# Altium PCB 宠物机器人&导购机器人.PcbDoc (part 12 of 14) (continued)
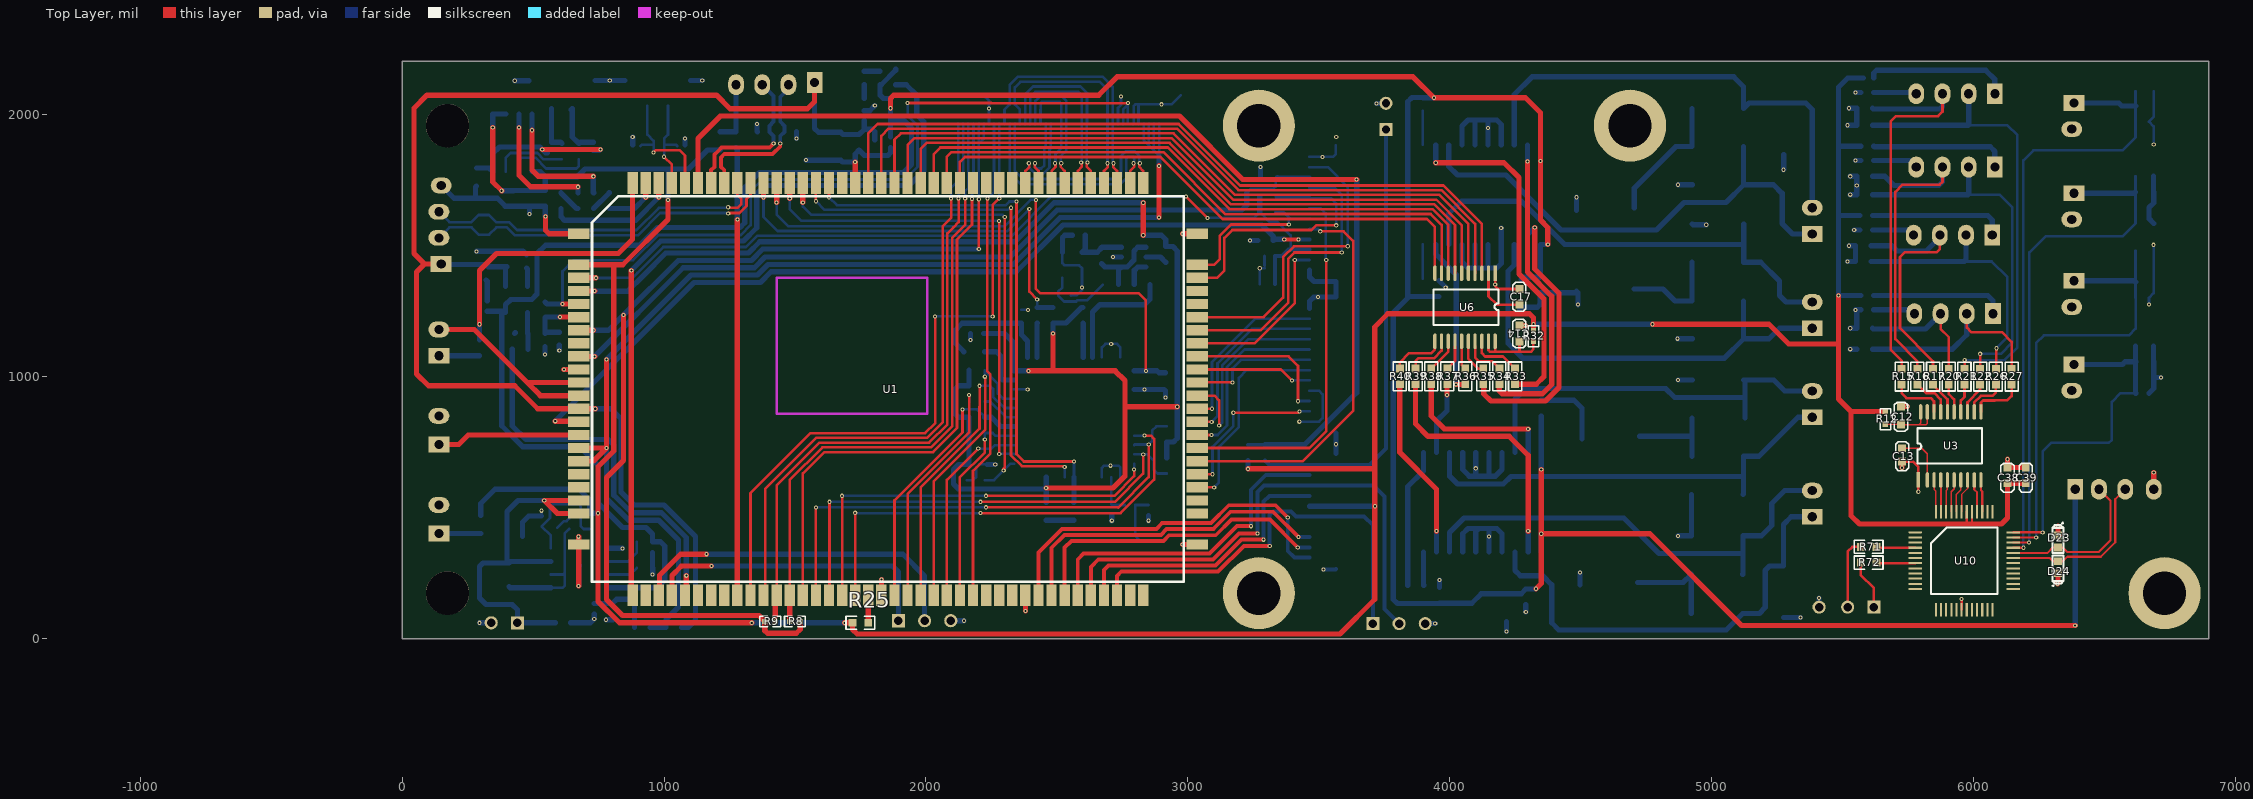
[diagram p0: Top Layer view]
## Free pads (board coordinates) (continued)
1(-1216.66,-383.46) 1(-1216.66,-383.92) 1(-1216.66,-383.92) 1(-1216.66,-383.92) 1(-1216.66,-383.92) 1(-1216.66,-383.92) 1(-1216.66,-383.92) 1(-1216.66,-383.62) 1(-1216.66,-383.62) 1(-1216.66,-383.62) 1(-1216.66,-383.62) 1(-1216.66,-383.62) 1(-1216.66,-383.62) 1(-1216.64,-383.91) 1(-1216.64,-383.91) 1(-1216.64,-383.91) 1(-1216.64,-383.91) 1(-1216.64,-383.91) 1(-1216.64,-383.91) 1(-1216.64,-383.62) 1(-1216.64,-383.62) 1(-1216.64,-383.62) 1(-1216.64,-383.62) 1(-1216.64,-383.62) 1(-1216.64,-383.62) 1(-1216.63,-383.48) 1(-1216.63,-383.48) 1(-1216.63,-383.48) 1(-1216.62,-383.9) 1(-1216.62,-383.9) 1(-1216.62,-383.9) 1(-1216.62,-383.9) 1(-1216.62,-383.9) 1(-1216.62,-383.9) 1(-1216.62,-383.61) 1(-1216.62,-383.61) 1(-1216.62,-383.61) 1(-1216.62,-383.61) 1(-1216.62,-383.61) 1(-1216.62,-383.61) 1(-1216.61,-384.98) 1(-1216.61,-384.98) 1(-1216.61,-384.98) 1(-1216.61,-384.98) 1(-1216.61,-384.98) 1(-1216.61,-384.98) 1(-1216.61,-384.79) 1(-1216.61,-384.79) 1(-1216.61,-384.79) 1(-1216.61,-384.79) 1(-1216.61,-384.79) 1(-1216.61,-384.79) 1(-1216.61,-383.46) 1(-1216.61,-383.46) 1(-1216.61,-383.46) 1(-1216.61,-383.46) 1(-1216.61,-383.46) 1(-1216.61,-383.46) 1(-1216.61,-383.4) 1(-1216.61,-383.4) 1(-1216.61,-383.4) 1(-1216.61,-384.79) 1(-1216.61,-384.79) 1(-1216.61,-384.79) 1(-1216.61,-384.98) 1(-1216.61,-384.98) 1(-1216.61,-384.98) 1(-1216.6,-383.88) 1(-1216.6,-383.88) 1(-1216.6,-383.88) 1(-1216.6,-383.88) 1(-1216.6,-383.88) 1(-1216.6,-383.88) 1(-1216.6,-383.6) 1(-1216.6,-383.6) 1(-1216.6,-383.6) 1(-1216.6,-383.6) 1(-1216.6,-383.6) 1(-1216.6,-383.6) 1(-1216.6,-383.88) 1(-1216.6,-383.88) 1(-1216.6,-383.88) 1(-1216.6,-384.22) 1(-1216.6,-384.22) 1(-1216.6,-384.22) 1(-1216.6,-384.22) 1(-1216.6,-384.22) 1(-1216.6,-384.22) 1(-1216.6,-384.2) 1(-1216.6,-384.2) 1(-1216.6,-384.2) 1(-1216.6,-384.2) 1(-1216.6,-384.2) 1(-1216.6,-384.2) 1(-1216.6,-383.92) 1(-1216.6,-383.92) 1(-1216.6,-383.92) 1(-1216.6,-383.92) 1(-1216.6,-383.92) 1(-1216.6,-383.92) 1(-1216.59,-383.92) 1(-1216.59,-383.92) 1(-1216.59,-383.92) 1(-1216.58,-383.81) 1(-1216.58,-383.81) 1(-1216.58,-383.81) 1(-1216.58,-383.81) 1(-1216.58,-383.81) 1(-1216.58,-383.81) 1(-1216.58,-383.6) 1(-1216.58,-383.6) 1(-1216.58,-383.6) 1(-1216.58,-383.6) 1(-1216.58,-383.6) 1(-1216.58,-383.6) 1(-1216.58,-383.81) 1(-1216.58,-383.81) 1(-1216.58,-383.81) 1(-1216.58,-384.22) 1(-1216.58,-384.22) 1(-1216.58,-384.22) 1(-1216.58,-384.18) 1(-1216.58,-384.18) 1(-1216.58,-384.18) 1(-1216.56,-383.76) 1(-1216.56,-383.76) 1(-1216.56,-383.76) 1(-1216.56,-383.76) 1(-1216.56,-383.76) 1(-1216.56,-383.76) 1(-1216.56,-383.59) 1(-1216.56,-383.59) 1(-1216.56,-383.59) 1(-1216.56,-383.59) 1(-1216.56,-383.59) 1(-1216.56,-383.59) 1(-1216.56,-384.98) 1(-1216.56,-384.98) 1(-1216.56,-384.98) 1(-1216.56,-384.81) 1(-1216.56,-384.81) 1(-1216.56,-384.81) 1(-1216.56,-384.81) 1(-1216.56,-384.81) 1(-1216.56,-384.81) 1(-1216.56,-383.45) 1(-1216.56,-383.45) 1(-1216.56,-383.45) 1(-1216.56,-383.45) 1(-1216.56,-383.45) 1(-1216.56,-383.45) 1(-1216.56,-383.4) 1(-1216.56,-383.4) 1(-1216.56,-383.4) 1(-1216.56,-383.76) 1(-1216.56,-383.76) 1(-1216.56,-383.76) 1(-1216.56,-384.07) 1(-1216.56,-384.07) 1(-1216.56,-384.07) 1(-1216.56,-383.86) 1(-1216.56,-383.86) 1(-1216.56,-383.86) 1(-1216.56,-383.79) 1(-1216.56,-383.79) 1(-1216.56,-383.79) 1(-1216.56,-383.79) 1(-1216.56,-383.79) 1(-1216.56,-383.79) 1(-1216.56,-384.23) 1(-1216.56,-384.23) 1(-1216.56,-384.23) 1(-1216.56,-384.23) 1(-1216.56,-384.23) 1(-1216.56,-384.23) 1(-1216.56,-384.07) 1(-1216.56,-384.07) 1(-1216.56,-384.07) 1(-1216.56,-384.07) 1(-1216.56,-384.07) 1(-1216.56,-384.07) 1(-1216.54,-384.01) 1(-1216.54,-384.01) 1(-1216.54,-384.01) 1(-1216.54,-384.01) 1(-1216.54,-384.01) 1(-1216.54,-384.01) 1(-1216.54,-383.77) 1(-1216.54,-383.77) 1(-1216.54,-383.77) 1(-1216.54,-383.77) 1(-1216.54,-383.77) 1(-1216.54,-383.77) 1(-1216.54,-383.47) 1(-1216.54,-383.47) 1(-1216.54,-383.47) 1(-1216.54,-383.47) 1(-1216.54,-383.47) 1(-1216.54,-383.47) 1(-1216.53,-383.42) 1(-1216.53,-383.42) 1(-1216.53,-383.42) 1(-1216.53,-383.42) 1(-1216.53,-383.42) 1(-1216.53,-383.42) 1(-1216.52,-384.77) 1(-1216.52,-384.77) 1(-1216.52,-384.77) 1(-1216.52,-384.77) 1(-1216.52,-384.77) 1(-1216.52,-384.77) 1(-1216.52,-383.67) 1(-1216.52,-383.67) 1(-1216.52,-383.67) 1(-1216.52,-383.42) 1(-1216.52,-383.42) 1(-1216.52,-383.42) 1(-1216.52,-383.42) 1(-1216.52,-383.42) 1(-1216.52,-383.42) 1(-1216.52,-384.26) 1(-1216.52,-384.26) 1(-1216.52,-384.26) 1(-1216.52,-384.26) 1(-1216.52,-384.26) 1(-1216.52,-384.26) 1(-1216.52,-384.12) 1(-1216.52,-384.12) 1(-1216.52,-384.12) 1(-1216.51,-384.28) 1(-1216.51,-384.28) 1(-1216.51,-384.28) 1(-1216.51,-384.28) 1(-1216.51,-384.28) 1(-1216.51,-384.28) 1(-1216.51,-383.4) 1(-1216.51,-383.4) 1(-1216.51,-383.4) 1(-1216.51,-383.4) 1(-1216.51,-383.4) 1(-1216.51,-383.4) 1(-1216.51,-383.4) 1(-1216.51,-383.4) 1(-1216.51,-383.4) 1(-1216.5,-383.76) 1(-1216.5,-383.76) 1(-1216.5,-383.76) 1(-1216.5,-383.76) 1(-1216.5,-383.76) 1(-1216.5,-383.76) 1(-1216.5,-383.69) 1(-1216.5,-383.69) 1(-1216.5,-383.69) 1(-1216.5,-384.04) 1(-1216.5,-384.04) 1(-1216.5,-384.04) 1(-1216.5,-384.25) 1(-1216.5,-384.25) 1(-1216.5,-384.25) 1(-1216.5,-384.25) 1(-1216.5,-384.25) 1(-1216.5,-384.25) 1(-1216.5,-384.08) 1(-1216.5,-384.08) 1(-1216.5,-384.08) 1(-1216.5,-384.08) 1(-1216.5,-384.08) 1(-1216.5,-384.08) 1(-1216.5,-384.04) 1(-1216.5,-384.04) 1(-1216.5,-384.04) 1(-1216.5,-384.04) 1(-1216.5,-384.04) 1(-1216.5,-384.04) 1(-1216.49,-384.25) 1(-1216.49,-384.25) 1(-1216.49,-384.25) 1(-1216.49,-384.01) 1(-1216.49,-384.01) 1(-1216.49,-384.01) 1(-1216.49,-384.01) 1(-1216.49,-384.01) 1(-1216.49,-384.01) 1(-1216.49,-384.28) 1(-1216.49,-384.28) 1(-1216.49,-384.28) 1(-1216.49,-384.28) 1(-1216.49,-384.28) 1(-1216.49,-384.28) 1(-1216.47,-384.25) 1(-1216.47,-384.25) 1(-1216.47,-384.25) 1(-1216.47,-384.25) 1(-1216.47,-384.25) 1(-1216.47,-384.25) 1(-1216.47,-384.07) 1(-1216.47,-384.07) 1(-1216.47,-384.07) 1(-1216.47,-384.07) 1(-1216.47,-384.07) 1(-1216.47,-384.07) 1(-1216.46,-383.4) 1(-1216.46,-383.4) 1(-1216.46,-383.4) 1(-1216.46,-383.71) 1(-1216.46,-383.71) 1(-1216.46,-383.71) 1(-1216.46,-383.4) 1(-1216.46,-383.4) 1(-1216.46,-383.4) 1(-1216.46,-383.4) 1(-1216.46,-383.4) 1(-1216.46,-383.4) 1(-1216.46,-385.12) 1(-1216.46,-385.12) 1(-1216.46,-385.12) 1(-1216.46,-385.12) 1(-1216.46,-385.12) 1(-1216.46,-385.12) 1(-1216.45,-385.1) 1(-1216.45,-385.1) 1(-1216.45,-385.1) 1(-1216.45,-385.1) 1(-1216.45,-385.1) 1(-1216.45,-385.1) 1(-1216.45,-384.22) 1(-1216.45,-384.22) 1(-1216.45,-384.22) 1(-1216.45,-384.22) 1(-1216.45,-384.22) 1(-1216.45,-384.22) 1(-1216.45,-384.05) 1(-1216.45,-384.05) 1(-1216.45,-384.05) 1(-1216.45,-384.05) 1(-1216.45,-384.05) 1(-1216.45,-384.05) 1(-1216.44,-385.09) 1(-1216.44,-385.09) 1(-1216.44,-385.09) 1(-1216.44,-385.09) 1(-1216.44,-385.09) 1(-1216.44,-385.09) 1(-1216.44,-385.07) 1(-1216.44,-385.07) 1(-1216.44,-385.07) 1(-1216.44,-385.07) 1(-1216.44,-385.07) 1(-1216.44,-385.07) 1(-1216.44,-384.36) 1(-1216.44,-384.36) 1(-1216.44,-384.36) 1(-1216.43,-384.24) 1(-1216.43,-384.24) 1(-1216.43,-384.24) 1(-1216.43,-384.24) 1(-1216.43,-384.24) 1(-1216.43,-384.24) 1(-1216.42,-384.06) 1(-1216.42,-384.06) 1(-1216.42,-384.06) 1(-1216.41,-383.64) 1(-1216.41,-383.64) 1(-1216.41,-383.64) 1(-1216.41,-383.4) 1(-1216.41,-383.4) 1(-1216.41,-383.4) 1(-1216.41,-384.77) 1(-1216.41,-384.77) 1(-1216.41,-384.77) 1(-1216.4,-383.86) 1(-1216.4,-383.86) 1(-1216.4,-383.86) 1(-1216.37,-385.21) 1(-1216.37,-385.21) 1(-1216.37,-385.21) 1(-1216.37,-385.21) 1(-1216.37,-385.21) 1(-1216.37,-385.21) 1(-1216.37,-385.19) 1(-1216.37,-385.19) 1(-1216.37,-385.19) 1(-1216.37,-385.19) 1(-1216.37,-385.19) 1(-1216.37,-385.19) 1(-1216.36,-383.4) 1(-1216.36,-383.4) 1(-1216.36,-383.4) 1(-1216.36,-383.64) 1(-1216.36,-383.64) 1(-1216.36,-383.64) 1(-1216.36,-383.4) 1(-1216.36,-383.4) 1(-1216.36,-383.4) 1(-1216.36,-383.4) 1(-1216.36,-383.4) 1(-1216.36,-383.4) 1(-1216.36,-385.17) 1(-1216.36,-385.17) 1(-1216.36,-385.17) 1(-1216.36,-385.17) 1(-1216.36,-385.17) 1(-1216.36,-385.17) 1(-1216.35,-385.15) 1(-1216.35,-385.15) 1(-1216.35,-385.15) 1(-1216.35,-385.15) 1(-1216.35,-385.15) 1(-1216.35,-385.15) 1(-1216.33,-384.06) 1(-1216.33,-384.06) 1(-1216.33,-384.06) 1(-1216.33,-384.06) 1(-1216.33,-384.06) 1(-1216.33,-384.06) 1(-1216.31,-383.66) 1(-1216.31,-383.66) 1(-1216.31,-383.66) 1(-1216.31,-383.66) 1(-1216.31,-383.66) 1(-1216.31,-383.66) 1(-1216.31,-383.4) 1(-1216.31,-383.4) 1(-1216.31,-383.4) 1(-1216.31,-383.66) 1(-1216.31,-383.66) 1(-1216.31,-383.66) 1(-1216.26,-385.1) 1(-1216.26,-385.1) 1(-1216.26,-385.1) 1(-1216.26,-384.98) 1(-1216.26,-384.98) 1(-1216.26,-384.98) 1(-1216.26,-383.64) 1(-1216.26,-383.64) 1(-1216.26,-383.64) 1(-1216.26,-383.4) 1(-1216.26,-383.4) 1(-1216.26,-383.4) 1(-1216.26,-384.36) 1(-1216.26,-384.36) 1(-1216.26,-384.36) 1(-1216.23,-384.06) 1(-1216.23,-384.06) 1(-1216.23,-384.06) 1(-1216.23,-383.3) 1(-1216.23,-383.3) 1(-1216.23,-383.3) 1(-1216.22,-383.32) 1(-1216.22,-383.32) 1(-1216.22,-383.32) 1(-1216.22,-383.32) 1(-1216.22,-383.32) 1(-1216.22,-383.32) 1(-1216.21,-384.98) 1(-1216.21,-384.98) 1(-1216.21,-384.98) 1(-1216.2,-385.11) 1(-1216.2,-385.11) 1(-1216.2,-385.11) 1(-1216.2,-384.99) 1(-1216.2,-384.99) 1(-1216.2,-384.99) 1(-1216.2,-384.99) 1(-1216.2,-384.99) 1(-1216.2,-384.99) 1(-1216.19,-383.29) 1(-1216.19,-383.29) 1(-1216.19,-383.29) 1(-1216.19,-383.29) 1(-1216.19,-383.29) 1(-1216.19,-383.29) 1(-1216.19,-383.29) 1(-1216.19,-383.29) 1(-1216.19,-383.29) 1(-1216.17,-385.09) 1(-1216.17,-385.09) 1(-1216.17,-385.09) 1(-1216.17,-384.98) 1(-1216.17,-384.98) 1(-1216.17,-384.98) 1(-1216.17,-384.98) 1(-1216.17,-384.98) 1(-1216.17,-384.98) 1(-1216.16,-384.98) 1(-1216.16,-384.98) 1(-1216.16,-384.98) 1(-1216.11,-384.98) 1(-1216.11,-384.98) 1(-1216.11,-384.98) 1(-1216.11,-385.13) 1(-1216.11,-385.13) 1(-1216.11,-385.13) 1(-1216.11,-384.98) 1(-1216.11,-384.98) 1(-1216.11,-384.98) 1(-1216.11,-384.98) 1(-1216.11,-384.98) 1(-1216.11,-384.98) 1(-1216.06,-383.27) 1(-1216.06,-383.27) 1(-1216.06,-383.27) 1(-1216.06,-383.27) 1(-1216.06,-383.27) 1(-1216.06,-383.27) 1(-1216.06,-384.98) 1(-1216.06,-384.98) 1(-1216.06,-384.98) 1(-1216.06,-385.09) 1(-1216.06,-385.09) 1(-1216.06,-385.09) 1(-1216.06,-384.98) 1(-1216.06,-384.98) 1(-1216.06,-384.98) 1(-1216.06,-384.98) 1(-1216.06,-384.98) 1(-1216.06,-384.98) 1(-1216.05,-383.25) 1(-1216.05,-383.25) 1(-1216.05,-383.25) 1(-1216.05,-383.25) 1(-1216.05,-383.25) 1(-1216.05,-383.25) 1(-1216.02,-385.07) 1(-1216.02,-385.07) 1(-1216.02,-385.07) 1(-1216.02,-384.98) 1(-1216.02,-384.98) 1(-1216.02,-384.98) 1(-1216.02,-384.98) 1(-1216.02,-384.98) 1(-1216.02,-384.98) 1(-1216.01,-384.98) 1(-1216.01,-384.98) 1(-1216.01,-384.98) 1(-1216.01,-383.32) 1(-1216.01,-383.32) 1(-1216.01,-383.32) 1(-1216.01,-383.32) 1(-1216.01,-383.32) 1(-1216.01,-383.32) 1(-1216,-383.3) 1(-1216,-383.3) 1(-1216,-383.3) 1(-1216,-383.3) 1(-1216,-383.3) 1(-1216,-383.3) 1(-1216,-385.04) 1(-1216,-385.04) 1(-1216,-385.04) 1(-1216,-383.23) 1(-1216,-383.23) 1(-1216,-383.23) 1(-1216,-383.23) 1(-1216,-383.23) 1(-1216,-383.23) 1(-1215.99,-383.21) 1(-1215.99,-383.21) 1(-1215.99,-383.21) 1(-1215.99,-383.21) 1(-1215.99,-383.21) 1(-1215.99,-383.21) 1(-1215.98,-383.3) 1(-1215.98,-383.3) 1(-1215.98,-383.3) 1(-1215.97,-385.04) 1(-1215.97,-385.04) 1(-1215.97,-385.04) 1(-1215.97,-385.04) 1(-1215.97,-385.04) 1(-1215.97,-385.04) 1(-1215.97,-383.27) 1(-1215.97,-383.27) 1(-1215.97,-383.27) 1(-1215.97,-383.26) 1(-1215.97,-383.26) 1(-1215.97,-383.26) 1(-1215.97,-383.26) 1(-1215.97,-383.26) 1(-1215.97,-383.26) 1(-1215.96,-383.32) 1(-1215.96,-383.32) 1(-1215.96,-383.32) 1(-1215.96,-383.32) 1(-1215.96,-383.32) 1(-1215.96,-383.32) 1(-1215.96,-383.32) 1(-1215.96,-383.32) 1(-1215.96,-383.32) 1(-1215.96,-385.03) 1(-1215.96,-385.03) 1(-1215.96,-385.03) 1(-1215.96,-385.03) 1(-1215.96,-385.03) 1(-1215.96,-385.03) 1(-1215.96,-384.98) 1(-1215.96,-384.98) 1(-1215.96,-384.98) 1(-1215.95,-383.24) 1(-1215.95,-383.24) 1(-1215.95,-383.24) 1(-1215.95,-383.24) 1(-1215.95,-383.24) 1(-1215.95,-383.24) 1(-1215.94,-383.24) 1(-1215.94,-383.24) 1(-1215.94,-383.24) 1(-1215.94,-383.24) 1(-1215.94,-383.24) 1(-1215.94,-383.24) 1(-1215.94,-383.34) 1(-1215.94,-383.34) 1(-1215.94,-383.34) 1(-1215.94,-383.25) 1(-1215.94,-383.25) 1(-1215.94,-383.25) 1(-1215.94,-383.25) 1(-1215.94,-383.25) 1(-1215.94,-383.25) 1(-1215.94,-383.19) 1(-1215.94,-383.19) 1(-1215.94,-383.19) 1(-1215.94,-383.19) 1(-1215.94,-383.19) 1(-1215.94,-383.19) 1(-1215.92,-383.15) 1(-1215.92,-383.15) 1(-1215.92,-383.15) 1(-1215.92,-383.15) 1(-1215.92,-383.15) 1(-1215.92,-383.15) 1(-1215.9,-384.24) 1(-1215.9,-384.24) 1(-1215.9,-384.24) 1(-1215.9,-384.24) 1(-1215.9,-384.24) 1(-1215.9,-384.24) 1(-1215.89,-383.14) 1(-1215.89,-383.14) 1(-1215.89,-383.14) 1(-1215.89,-383.24) 1(-1215.89,-383.24) 1(-1215.89,-383.24) 1(-1215.89,-383.24) 1(-1215.89,-383.24) 1(-1215.89,-383.24) 1(-1215.87,-383.2) 1(-1215.87,-383.2) 1(-1215.87,-383.2) 1(-1215.87,-383.2) 1(-1215.87,-383.2) 1(-1215.87,-383.2) 1(-1215.85,-384.44) 1(-1215.85,-384.44) 1(-1215.85,-384.44) 1(-1215.85,-384.44) 1(-1215.85,-384.44) 1(-1215.85,-384.44) 1(-1215.85,-384.28) 1(-1215.85,-384.28) 1(-1215.85,-384.28) 1(-1215.85,-384.28) 1(-1215.85,-384.28) 1(-1215.85,-384.28) 1(-1215.85,-384.44) 1(-1215.85,-384.44) 1(-1215.85,-384.44) 1(-1215.81,-385.15) 1(-1215.81,-385.15) 1(-1215.81,-385.15) 1(-1215.81,-385.15) 1(-1215.81,-385.15) 1(-1215.81,-385.15) 1(-1215.8,-385.17) 1(-1215.8,-385.17) 1(-1215.8,-385.17) 1(-1215.8,-385.17) 1(-1215.8,-385.17) 1(-1215.8,-385.17) 1(-1215.79,-384.26) 1(-1215.79,-384.26) 1(-1215.79,-384.26) 1(-1215.79,-385.19) 1(-1215.79,-385.19) 1(-1215.79,-385.19) 1(-1215.79,-385.19) 1(-1215.79,-385.19) 1(-1215.79,-385.19) 1(-1215.79,-385.14) 1(-1215.79,-385.14) 1(-1215.79,-385.14) 1(-1215.79,-385.14) 1(-1215.79,-385.14) 1(-1215.79,-385.14) 1(-1215.79,-384.72) 1(-1215.79,-384.72) 1(-1215.79,-384.72) 1(-1215.79,-385.21) 1(-1215.79,-385.21) 1(-1215.79,-385.21) 1(-1215.79,-385.21) 1(-1215.79,-385.21) 1(-1215.79,-385.21) 1(-1215.78,-383.2) 1(-1215.78,-383.2) 1(-1215.78,-383.2) 1(-1215.77,-384.31) 1(-1215.77,-384.31) 1(-1215.77,-384.31) 1(-1215.77,-384.21) 1(-1215.77,-384.21) 1(-1215.77,-384.21) 1(-1215.77,-385.14) 1(-1215.77,-385.14) 1(-1215.77,-385.14) 1(-1215.77,-385.14) 1(-1215.77,-385.14) 1(-1215.77,-385.14) 1(-1215.77,-384.86) 1(-1215.77,-384.86) 1(-1215.77,-384.86) 1(-1215.76,-384.32) 1(-1215.76,-384.32) 1(-1215.76,-384.32) 1(-1215.76,-384.32) 1(-1215.76,-384.32) 1(-1215.76,-384.32) 1(-1215.75,-384.16) 1(-1215.75,-384.16) 1(-1215.75,-384.16) 1(-1215.75,-384.36) 1(-1215.75,-384.36) 1(-1215.75,-384.36) 1(-1215.75,-385.14) 1(-1215.75,-385.14) 1(-1215.75,-385.14) 1(-1215.75,-385.14) 1(-1215.75,-385.14) 1(-1215.75,-385.14) 1(-1215.75,-384.84) 1(-1215.75,-384.84) 1(-1215.75,-384.84) 1(-1215.74,-383.91) 1(-1215.74,-383.91) 1(-1215.74,-383.91) 1(-1215.73,-384.12) 1(-1215.73,-384.12) 1(-1215.73,-384.12) 1(-1215.73,-384.07) 1(-1215.73,-384.07) 1(-1215.73,-384.07) 1(-1215.73,-385.15) 1(-1215.73,-385.15) 1(-1215.73,-385.15) 1(-1215.73,-385.15) 1(-1215.73,-385.15) 1(-1215.73,-385.15) 1(-1215.73,-384.71) 1(-1215.73,-384.71) 1(-1215.73,-384.71) 1(-1215.71,-383.7) 1(-1215.71,-383.7) 1(-1215.71,-383.7) 1(-1215.71,-383.7) 1(-1215.71,-383.7) 1(-1215.71,-383.7) 1(-1215.71,-383.67) 1(-1215.71,-383.67) 1(-1215.71,-383.67) 1(-1215.71,-383.96) 1(-1215.71,-383.96) 1(-1215.71,-383.96) 1(-1215.71,-383.76) 1(-1215.71,-383.76) 1(-1215.71,-383.76) 1(-1215.7,-383.71) 1(-1215.7,-383.71) 1(-1215.7,-383.71) 1(-1215.7,-383.71) 1(-1215.7,-383.71) 1(-1215.7,-383.71) 1(-1215.69,-383.14) 1(-1215.69,-383.14) 1(-1215.69,-383.14) 1(-1215.69,-383.14) 1(-1215.69,-383.14) 1(-1215.69,-383.14) 1(-1215.67,-384.32) 1(-1215.67,-384.32) 1(-1215.67,-384.32) 1(-1215.67,-384.32) 1(-1215.67,-384.32) 1(-1215.67,-384.32) 1(-1215.66,-384.21) 1(-1215.66,-384.21) 1(-1215.66,-384.21) 1(-1215.66,-384.21) 1(-1215.66,-384.21) 1(-1215.66,-384.21) 1(-1215.66,-383.24) 1(-1215.66,-383.24) 1(-1215.66,-383.24) 1(-1215.66,-383.24) 1(-1215.66,-383.24) 1(-1215.66,-383.24) 1(-1215.66,-384.07) 1(-1215.66,-384.07) 1(-1215.66,-384.07) 1(-1215.66,-384.07) 1(-1215.66,-384.07) 1(-1215.66,-384.07) 1(-1215.66,-384.12) 1(-1215.66,-384.12) 1(-1215.66,-384.12) 1(-1215.66,-384.12) 1(-1215.66,-384.12) 1(-1215.66,-384.12) 1(-1215.66,-384.06) 1(-1215.66,-384.06) 1(-1215.66,-384.06) 1(-1215.66,-384.06) 1(-1215.66,-384.06) 1(-1215.66,-384.06) 1(-1215.66,-383.96) 1(-1215.66,-383.96) 1(-1215.66,-383.96) 1(-1215.66,-383.91) 1(-1215.66,-383.91) 1(-1215.66,-383.91) 1(-1215.66,-383.91) 1(-1215.66,-383.91) 1(-1215.66,-383.91) 1(-1215.66,-383.71) 1(-1215.66,-383.71) 1(-1215.66,-383.71) 1(-1215.66,-384.56) 1(-1215.66,-384.56) 1(-1215.66,-384.56) 1(-1215.66,-384.51) 1(-1215.66,-384.51) 1(-1215.66,-384.51) 1(-1215.66,-384.46) 1(-1215.66,-384.46) 1(-1215.66,-384.46) 1(-1215.66,-384.41) 1(-1215.66,-384.41) 1(-1215.66,-384.41) 1(-1215.66,-384.36) 1(-1215.66,-384.36) 1(-1215.66,-384.36) 1(-1215.66,-384.31) 1(-1215.66,-384.31) 1(-1215.66,-384.31) 1(-1215.66,-384.26) 1(-1215.66,-384.26) 1(-1215.66,-384.26) 1(-1215.66,-384.21) 1(-1215.66,-384.21) 1(-1215.66,-384.21) 1(-1215.66,-384.16) 1(-1215.66,-384.16) 1(-1215.66,-384.16) 1(-1215.66,-384.11) 1(-1215.66,-384.11) 1(-1215.66,-384.11) 1(-1215.66,-384.06) 1(-1215.66,-384.06) 1(-1215.66,-384.06) 1(-1215.66,-384.01) 1(-1215.66,-384.01) 1(-1215.66,-384.01) 1(-1215.66,-383.96) 1(-1215.66,-383.96) 1(-1215.66,-383.96) 1(-1215.66,-383.96) 1(-1215.66,-383.96) 1(-1215.66,-383.96) 1(-1215.66,-383.91) 1(-1215.66,-383.91) 1(-1215.66,-383.91) 1(-1215.66,-383.76) 1(-1215.66,-383.76) 1(-1215.66,-383.76) 1(-1215.66,-383.71) 1(-1215.66,-383.71) 1(-1215.66,-383.71) 1(-1215.66,-383.71) 1(-1215.66,-383.71) 1(-1215.66,-383.71) 1(-1215.65,-384.56) 1(-1215.65,-384.56) 1(-1215.65,-384.56) 1(-1215.65,-384.56) 1(-1215.65,-384.56) 1(-1215.65,-384.56) 1(-1215.6,-383.23) 1(-1215.6,-383.23) 1(-1215.6,-383.23) 1(-1215.6,-384.56) 1(-1215.6,-384.56) 1(-1215.6,-384.56) 1(-1215.59,-384.01) 1(-1215.59,-384.01) 1(-1215.59,-384.01) 1(-1215.59,-383.4) 1(-1215.59,-383.4) 1(-1215.59,-383.4) 1(-1215.59,-383.32) 1(-1215.59,-383.32) 1(-1215.59,-383.32) 1(-1215.59,-383.32) 1(-1215.59,-383.32) 1(-1215.59,-383.32) 1(-1215.57,-384.51) 1(-1215.57,-384.51) 1(-1215.57,-384.51) 1(-1215.55,-384.46) 1(-1215.55,-384.46) 1(-1215.55,-384.46) 1(-1215.53,-384.41) 1(-1215.53,-384.41) 1(-1215.53,-384.41)
  round 0.05 on Mech2: 1(-1218.18,-384.08) 1(-1218.18,-384.08) 1(-1218.18,-384.08) 1(-1218.18,-383.98) 1(-1218.18,-383.98) 1(-1218.18,-383.98) 1(-1218.18,-383.86) 1(-1218.18,-383.86) 1(-1218.18,-383.86) 1(-1218.18,-383.76) 1(-1218.18,-383.76) 1(-1218.18,-383.76)
  round 0.05 on Mech10: 1(-1218.18,-384.08) 1(-1218.18,-384.08) 1(-1218.18,-384.08) 1(-1218.18,-383.98) 1(-1218.18,-383.98) 1(-1218.18,-383.98) 1(-1218.18,-383.86) 1(-1218.18,-383.86) 1(-1218.18,-383.86) 1(-1218.18,-383.76) 1(-1218.18,-383.76) 1(-1218.18,-383.76)
  round 0.02 on Mech13: 1(-1218.04,-383.37) 1(-1218.04,-383.37) 1(-1218.04,-383.37) 1(-1218.04,-383.31) 1(-1218.04,-383.31) 1(-1218.04,-383.31) 1(-1218.04,-383.15) 1(-1218.04,-383.15) 1(-1218.04,-383.15) 1(-1218.04,-383.09) 1(-1218.04,-383.09) 1(-1218.04,-383.09) 1(-1217.99,-383.37) 1(-1217.99,-383.37) 1(-1217.99,-383.37) 1(-1217.99,-383.31) 1(-1217.99,-383.31) 1(-1217.99,-383.31) 1(-1217.99,-383.15) 1(-1217.99,-383.15) 1(-1217.99,-383.15) 1(-1217.99,-383.09) 1(-1217.99,-383.09) 1(-1217.99,-383.09) 1(-1217.94,-383.37) 1(-1217.94,-383.37) 1(-1217.94,-383.37) 1(-1217.94,-383.31) 1(-1217.94,-383.31) 1(-1217.94,-383.31) 1(-1217.94,-383.15) 1(-1217.94,-383.15) 1(-1217.94,-383.15) 1(-1217.94,-383.09) 1(-1217.94,-383.09) 1(-1217.94,-383.09) 1(-1217.89,-383.37) 1(-1217.89,-383.37) 1(-1217.89,-383.37) 1(-1217.89,-383.31) 1(-1217.89,-383.31) 1(-1217.89,-383.31) 1(-1217.89,-383.15) 1(-1217.89,-383.15) 1(-1217.89,-383.15) 1(-1217.89,-383.09) 1(-1217.89,-383.09) 1(-1217.89,-383.09) 1(-1216.04,-384.21) 1(-1216.04,-384.21) 1(-1216.04,-384.21) 1(-1216.04,-384.19) 1(-1216.04,-384.19) 1(-1216.04,-384.19) 1(-1216,-384.21) 1(-1216,-384.21) 1(-1216,-384.21) 1(-1216,-384.19) 1(-1216,-384.19) 1(-1216,-384.19) 1(-1216,-384.11) 1(-1216,-384.11) 1(-1216,-384.11) 1(-1216,-384.1) 1(-1216,-384.1) 1(-1216,-384.1) 1(-1215.96,-384.21) 1(-1215.96,-384.21) 1(-1215.96,-384.21) 1(-1215.96,-384.19) 1(-1215.96,-384.19) 1(-1215.96,-384.19) 1(-1215.96,-384.11) 1(-1215.96,-384.11) 1(-1215.96,-384.11) 1(-1215.96,-384.1) 1(-1215.96,-384.1) 1(-1215.96,-384.1)
  round 0 on Mech8: 1(-1217.98,-384.69) 1(-1217.98,-384.69) 1(-1217.98,-384.69) 1(-1217.96,-384.7) 1(-1217.96,-384.7) 1(-1217.96,-384.7) 1(-1217.96,-384.68) 1(-1217.96,-384.68) 1(-1217.96,-384.68) 1(-1217.95,-384.69) 1(-1217.95,-384.69) 1(-1217.95,-384.69) 1(-1217.95,-384.69) 1(-1217.95,-384.69) 1(-1217.95,-384.69) 1(-1217.95,-384.69) 1(-1217.95,-384.69) 1(-1217.95,-384.69)
  round 0.01 on Mech11: 1(-1217.97,-384.92) 1(-1217.97,-384.92) 1(-1217.97,-384.92) 1(-1217.97,-384.92) 1(-1217.97,-384.92) 1(-1217.97,-384.92) 1(-1217.97,-383.55) 1(-1217.97,-383.55) 1(-1217.97,-383.55) 1(-1217.97,-383.55) 1(-1217.97,-383.55) 1(-1217.97,-383.55) 1(-1217.87,-383.45) 1(-1217.87,-383.45) 1(-1217.87,-383.45) 1(-1217.87,-383.45) 1(-1217.87,-383.45) 1(-1217.87,-383.45) 1(-1215.71,-384.92) 1(-1215.71,-384.92) 1(-1215.71,-384.92) 1(-1215.71,-384.92) 1(-1215.71,-384.92) 1(-1215.71,-384.92) 1(-1215.71,-383.45) 1(-1215.71,-383.45) 1(-1215.71,-383.45) 1(-1215.71,-383.45) 1(-1215.71,-383.45) 1(-1215.71,-383.45)
  round 0.02 on Mech14: 1(-1217.52,-383.49) 1(-1217.52,-383.49) 1(-1217.52,-383.49) 1(-1217.46,-383.49) 1(-1217.46,-383.49) 1(-1217.46,-383.49)
  round 0.02 on Mech15: 1(-1217.52,-383.49) 1(-1217.52,-383.49) 1(-1217.52,-383.49) 1(-1217.46,-383.49) 1(-1217.46,-383.49) 1(-1217.46,-383.49)
  round 0.01 on Mech9: 1(-1217.26,-384.28) 1(-1217.26,-384.28) 1(-1217.26,-384.28) 1(-1217.26,-384.28) 1(-1217.26,-384.28) 1(-1217.26,-384.28) 1(-1217.26,-383.76) 1(-1217.26,-383.76) 1(-1217.26,-383.76) 1(-1217.26,-383.76) 1(-1217.26,-383.76) 1(-1217.26,-383.76) 1(-1216.69,-384.28) 1(-1216.69,-384.28) 1(-1216.69,-384.28) 1(-1216.69,-384.28) 1(-1216.69,-384.28) 1(-1216.69,-384.28) 1(-1216.69,-383.76) 1(-1216.69,-383.76) 1(-1216.69,-383.76) 1(-1216.69,-383.76) 1(-1216.69,-383.76) 1(-1216.69,-383.76)
  round 0.01 on Mech6: 1(-1217.26,-384.28) 1(-1217.26,-384.28) 1(-1217.26,-384.28) 1(-1217.26,-384.28) 1(-1217.26,-384.28) 1(-1217.26,-384.28) 1(-1217.26,-383.76) 1(-1217.26,-383.76) 1(-1217.26,-383.76) 1(-1217.26,-383.76) 1(-1217.26,-383.76) 1(-1217.26,-383.76) 1(-1216.69,-384.28) 1(-1216.69,-384.28) 1(-1216.69,-384.28) 1(-1216.69,-384.28) 1(-1216.69,-384.28) 1(-1216.69,-384.28) 1(-1216.69,-383.76) 1(-1216.69,-383.76) 1(-1216.69,-383.76) 1(-1216.69,-383.76) 1(-1216.69,-383.76) 1(-1216.69,-383.76)
  round 165.35 hole 165.35: 2(173.23,173.23) 2(173.23,1958.66)
  round 275.59 hole 165.35: 2(3271.65,173.23) 2(3271.65,1958.66) 2(4688.98,1958.66) 2(6730.31,173.23)

## Via types
v1: diameter 16, hole 8, Top Layer to Bottom Layer, tented both sides, 263 vias

## Nets (pads, with @x,y where several pads share a name; then routed paths per layer and width w, separated by ;. In a path a pad name is that pad's centre, name@x,y a point inside that pad or via, vN(x,y) a via of type N, cw(c..) or ccw(c..) an arc to the next point about the centre after c; other vN are vias at no path point)
ACIN5V: J2.1 J2.2 J2.3 J2.4 L1.2 L2.1 U1.15 U1.16 | length 4535.2
  Top Layer w20: U1.16@673.9,677.4 730,677.4 v1(780,727.4) ; U1.15@673.9,727.4 v1(780,727.4) ; v1(780,1065) v1(780,727.4) ; v1(2890,1607.5) v1(2890,1805)
  Bottom Layer w10: J2.4@2831.5,1965 2831.5,1903.5 2850,1885 ; J2.3@2851.18,1965 2851.18,1886.18 2850,1885 ; J2.2@2870.87,1965 2870.87,1864.13 ; J2.1@2890.55,1965 2890.55,1844.45 2870.87,1864.13 ; 2850,1885 2870.87,1864.13
  Bottom Layer w20: v1(780,727.4) 780,535.8 863.8,452 978.8,452 1055,375.8 1055,120 1007.5,72.5 L2.1@1007.5,42.28 L1.2@947.29,42.28 ; v1(780,1065) 1103,1388 1356.9,1388 1397.5,1428.6 2333.6,1428.6 2513,1608 2513.5,1607.5 v1(2890,1607.5) ; v1(2890,1805) 2890,1843.9
AGND: C23.2 C30.2 L12.2 U8.8 | length 615
  Top Layer w20: v1(535,1867.98) v1(757.02,1867.98)
  Bottom Layer w20: L12.2@284,1797 332,1797 U8.8@346,1783 346,1851 372,1877 525.98,1877 v1(535,1867.98) 547.48,1855.5 C23.2@555,1855.5 ; C30.2@730,1864.5 753.53,1864.5 v1(757.02,1867.98)
AP-CK32KO: R66.2 R68.2 U1.110 | length 1649.9
  Top Layer w10: v1(2395,1640) 2395,1325 v1(2425,1295)
  Top Layer w20: v1(1380,1685) U1.110@1380,1739.8
  Bottom Layer w10: v1(1380,1685) 1380,1610 1433.89,1556.11 2230.69,1556.11 2230.8,1556 2311,1556 v1(2395,1640) ; R66.2@2425,1264.5 v1(2425,1295)
  Bottom Layer w20: R66.2@2425,1264.5 R68.2@2485,1264.5
AP-UART1-CTS: U1.38 U9.41 | length 1748.4
  Top Layer w10: U1.38@1730,165 v1(1730,480) ; v1(2209,479) 2744,479 2872,607 2872,762.35 2859.35,775 v1(2835,775)
  Bottom Layer w10: v1(1730,480) 1731,479 v1(2209,479) ; U9.41@2795,774.13 2834.13,774.13 v1(2835,775)
AP-UART1-RTS: U1.37 U9.44 | length 1573.6
  Top Layer w10: U1.37@1680,165 v1(1680,545) ; v1(2230,545) 2719.54,545 2795,620.46 v1(2795,645)
  Bottom Layer w10: v1(1680,545) v1(2230,545) ; v1(2795,645) U9.44@2795,667.83
AP-UART1-RX: R59.2 U1.35 U9.42 | length 1956.4
  Top Layer w10: U1.35@1580,165 v1(1580,500) ; v1(2229,501) 2734,501 2735,500 2851,616 v1(2851,741)
  Bottom Layer w10: v1@1581,501 v1(2229,501) ; U9.42@2795,738.7 2797.3,741 v1(2851,741) 2864.35,754.35 2864.35,794.35 2880,810 R59.2@2920,810
AP-UART1-TX: R60.2 U1.36 U9.43 | length 1849.7
  Top Layer w10: U1.36@1630,165 1632,167 v1(1632,522) ; v1(2208,522) 2722,522 2830,630 v1(2830,703.27)
  Bottom Layer w10: v1(1632,522) v1(2208,522) ; U9.43@2795,703.27 v1(2830,703.27) 2846.73,703.27 2870,680 2870,645 2885,630 R60.2@2920,630
AVDD-CSI: C3.1 J3.3 U1.8 | length 3117.1
  Top Layer w20: U1.8@673.9,1077.4 v1(735,1077.4)
  Bottom Layer w10: 3225,1701 3242,1718 3328,1718 3336.53,1726.53 C3.1@3336.53,1754
  Bottom Layer w15: C3.1@3343.12,1760.59 J3.3@3465,1760.59
  Bottom Layer w20: v1(735,1077.4) 1073.6,1416 1345.3,1416 1385.9,1456.6 2322,1456.6 2501.4,1636 3206,1636 3225,1655 3225,1701 ; C3.1@3336.53,1754 C3.1@3343.12,1760.59
B2: U1.102 U6.3 | length 2893.8
  Top Layer w10: U1.102@1780,1739.8 1780,1930 1815,1965 2965.46,1965 3200.46,1730 3975.91,1730 4122.91,1583 U6.3@4122.91,1395
B3: U1.101 U6.4 | length 2797.6
  Top Layer w10: U1.101@1830,1739.8 1830,1920 1857,1947 2958,1947 3193,1712 3968.46,1712 4097.32,1583.13 U6.4@4097.32,1395
B4: U1.100 U6.5 | length 2698.3
  Top Layer w10: U1.100@1880,1739.8 1880,1905 1904,1929 2946,1929 3181,1694 3961,1694 4071.73,1583.27 U6.5@4071.73,1395
B5: U1.99 U6.6 | length 2593.5
  Top Layer w10: U1.99@1930,1739.8 1930,1885 1956,1911 2938.54,1911 3173.54,1676 3949,1676 4046.14,1578.86 U6.6@4046.14,1395
B6: U1.98 U6.7 | length 2494.3
  Top Layer w10: U1.98@1980,1739.8 1980,1870 2003,1893 2931.09,1893 3166.09,1658 3941.54,1658 4020.55,1578.99 U6.7@4020.55,1395
B7: U1.97 U6.8 | length 2392.2
  Top Layer w10: U1.97@2030,1739.8 2030,1850 2055,1875 2923.63,1875 3158.63,1640 3934.09,1640 3994.96,1579.13 U6.8@3994.96,1395
BT-HOST-WAKE: U1.106 U9.7 | length 2040.1
  Top Layer w10: v1(1580,1670) U1.106@1580,1739.8 ; v1(2325,1645) 2325,699.54 2366.54,658 2527,658 v1(2530,655)
  Bottom Layer w10: v1(1580,1670) 1613,1637 2312.46,1637 2320.46,1645 v1(2325,1645) ; v1(2530,655) 2530.24,654.76 U9.7@2530.24,615.67
BT-RST-N: R61.1 U1.109 U9.34 | length 2340.1
  Top Layer w10: v1(2420,1675) 2420,1335 2436,1319 2811,1319 2840,1290 v1(2840,1022.17)
  Top Layer w20: v1(1430,1665) U1.109@1430,1739.8
  Bottom Layer w10: v1(1430,1665) 1430,1620 1475.89,1574.11 2238.15,1574.11 2238.26,1574 2299.3,1574 2400.3,1675 v1(2420,1675)
  Bottom Layer w20: U9.34@2795,1022.17 v1(2840,1022.17) 2882.83,1022.17 2890,1015 R61.1@2915,1015
BT-WAKE: R65.1 U1.105 U9.6 | length 2141.5
  Top Layer w10: v1(1630,1685) U1.105@1630,1739.8 ; v1(2346,1669) 2346,704 2374,676 v1(2566,676)
  Bottom Layer w10: v1(1630,1685) 1660,1655 2305,1655 2319,1669 v1(2346,1669) ; U9.6@2565.67,615.67 2565.67,675.67 v1(2566,676)
  Bottom Layer w20: R65.1@2565,520.5 2565.67,521.17 U9.6@2565.67,615.67
CHGLED: R48.2 U1.120 | length 1114.5
  Top Layer w20: v1(295,1200) 295,1405 360,1470 825,1470 880,1525 U1.120@880,1739.8
  Bottom Layer w20: R48.2@295,1140 v1(295,1200)